# KiCad board DQBSC.kicad_pcb (continued)
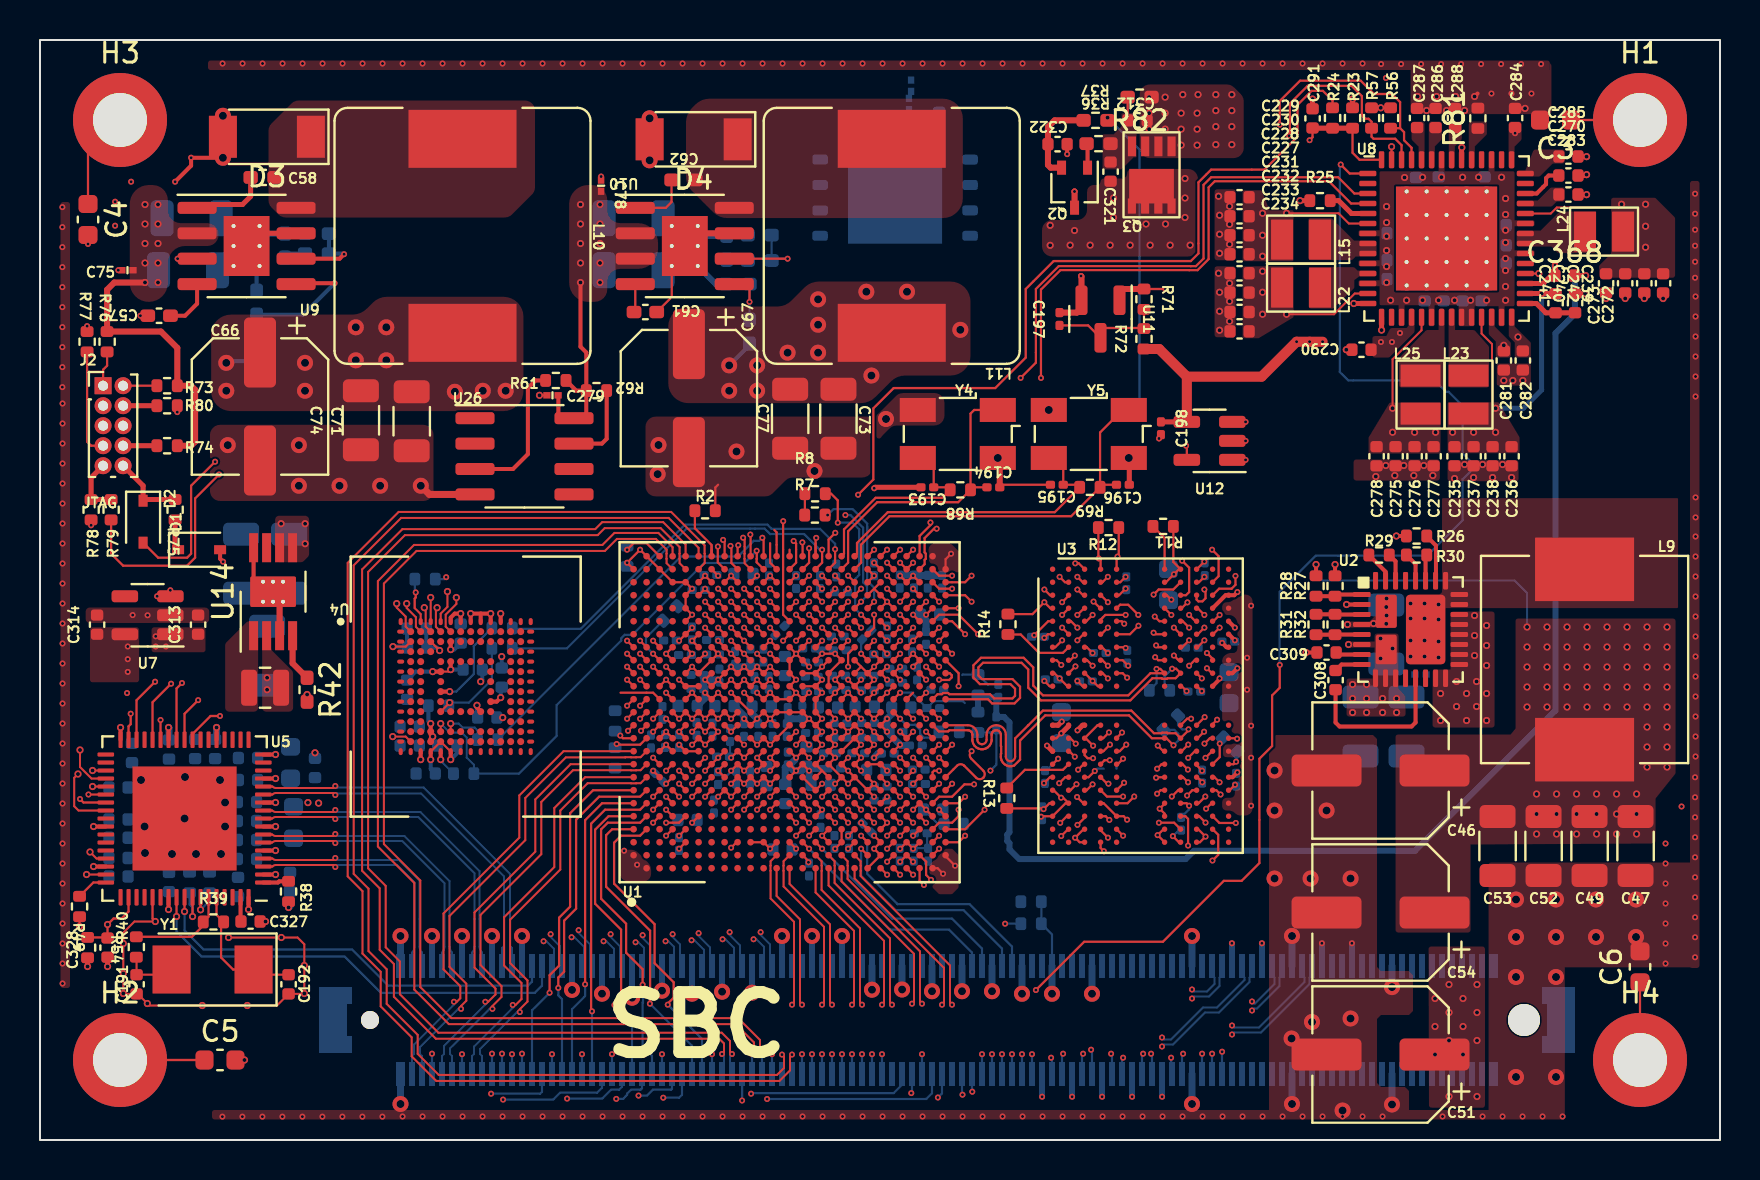
[diagram p0: board, top side]
## Routing (per net, layer and track width the routed paths; a pad name or vN(x,y) marks a point on that pad's centre or on a via; arc(x,y) is an arc through that point) (continued)
  TOP w0.2: U4.A11 v4(23.03,26.32) ; U4.A10 v4(22.53,26.32) 22.03,26.32 ; U4.A9 22.03,26.32 ; 22.03,26.32 v4(21.53,26.32) U4.A8 ; R38.2 v4(12.43,11.62) ; C327.1 v4(11.28,10.92) ; U4.P4 v4(19.53,19.02) ; v3(9.15,49.11) 7.56,49.11 v2(7.55,49.11) 7.55,48.71 v2(6.75,47.91) ; v2(9.13,53.82) 9.15,53.81 ; v2(58.98,23.08) 58.98,23.04 U3.K11 ; U4.A7 v4(21.03,26.32) 20.73,26.32 20.53,26.12 U4.A6 ; U14.8 10.85,27.41 10.68,27.59 U14.8 ; U3.D11 59.28,27.24 U3.C12 59.71,27.24 v2(59.87,27.4) ; U3.J12 59.62,23.34 v2(59.87,23.59) ; v4(74.25,51.58) C284.2 ; v4(71.73,52.17) 71.88,52.32 ; U3.E12 59.43,25.93 v2(59.74,25.62) ; v2(59.11,24.86) 59.32,24.64 U3.G12 ; C309.2 v4(63.3,24.37) ; C322.2 v2(51.36,49.29) ; R27.2 v4(64.75,28.77) ; U4.P6 v4(20.53,19.02)
  TOP w0.25: C273.2 76.76,42.32 v4(77.25,42.32) ; v4(77.33,48.27) 77.29,48.22 C270.1 ; R25.1 v4(63,46.97) 63,46.97 ; U8.48 71.08,49.61 v4(71.09,49.62) ; v2(41.71,32.59) 41.76,32.64 C193.2 ; v2(55.95,35.08) 56.05,35.17 C198.2 ; v2(51.06,20.33) 51.43,20.7 U3.N2 ; U9.7 10.61,45.34 10.33,45.05 U9.9 ; U8.15 v4(67.08,40.49) ; C368.2 v4(77.28,43.22) ; C328.2 v4(3.38,8.67) ; v4(77.33,49.17) 76.91,49.17 C285.1 ; v3(54.44,34.1) 54.46,34.08 C196.2 ; C283.2 76.91,47.27 v4(77.33,47.27) ; U8.14 v4(65.69,41.82) ; C291.2 v4(63.63,52.05)
  TOP w0.3: C197.2 51.85,41.37 52.07,41.6 U11.2 52.07,43.18 v2(52.05,43.2) ; U14.8 11.98,27.09 U14.3 ; U10.7 32.87,45.34 U10.9 ; v3(47.89,34.1) 47.99,34 C194.2 ; v2(51.73,47.43) 51.73,47.42 Q2.3
  TOP w0.35: U26.4 19.47,32.28 v3(19.04,32.71)
  BOT w0.11: v2(22.6,4.31) J1.B10 ; 46.11,23.25 46.14,23.27 R66.1 47.39,22.78 C318.2 ; v2(19.6,4.31) J1.B4 ; C297.1 57.45,16.53 v2(57.45,16.71) ; 53.82,18.56 53.82,18.73 v2(54.15,19.06) ; v2(44.1,4.29) J1.B53 ; v2(41.1,4.29) J1.B47 ; J1.A66 50.6,10.28 R70.2 R4.2 ; v2(25.6,4.29) J1.B16 ; v2(47.1,4.29) J1.B59 ; v2(24.1,4.31) J1.B13 ; v2(38.1,4.29) J1.B41 ; v2(28.6,4.29) J1.B22 ; v2(50.9,19.06) 50.31,18.47 C293.1 ; v2(39.6,4.29) J1.B44 ; v2(48.6,4.29) J1.B62 ; v2(21.1,4.29) J1.B7 ; J1.B35 35.1,3.3 v2(35.1,1.97) ; v2(31.1,4.29) J1.B27 ; v2(36.6,4.29) J1.B38 ; v2(27.1,4.29) J1.B19 ; v2(33.6,4.29) J1.B32
  BOT w0.2: v4(23.13,21.12) C188.2 ; C245.2 22.11,23 v4(22.03,22.92) ; v4(19.98,24.47) 19.83,24.62 C243.2 19.31,24.65 C244.2 ; U9.9 10.83,43.55 R22.2 ; C185.2 20.84,19.33 v4(20.53,19.02) ; C186.2 19.53,18.55 v4(19.53,19.02) ; C187.2 v4(23.08,24.17) ; C182.2 v4(21.03,26.32)
  BOT w0.3: J1.B65 50.1,2.17 v2(50.1,2.16) ; J1.A4 v3(19.6,10.2) ; J1.A42 v3(38.6,10.2) ; C63.2 34.37,45.25 C64.2 32.75,45.21 U10.9 ; v2(65.6,9.84) 65.6,9.83 J1.A96 ; J1.B74 54.6,2.17 v2(54.6,2.16) ; J1.A39 v3(37.1,10.2) ; U9.9 11.36,45.32 C60.2 12.25,45.32 C59.1 ; J1.A27 v3(31.1,7.46) ; J1.A93 64.1,9.83 v2(64.1,9.84) ; R35.2 33.79,42.8 U10.9 ; J1.A84 59.6,9.83 v2(59.6,9.84) ; J1.A13 v3(24.1,10.2) ; J1.B71 53.1,2.17 v2(53.1,2.16) ; J1.A36 v3(35.6,7.36) ; J1.A45 v3(40.1,10.2) ; v2(51.6,2.16) 51.6,2.17 J1.B68 ; J1.B77 56.1,2.17 v2(56.1,2.16) ; v3(29.6,7.11) 29.6,7.12 J1.A24 ; J1.A7 v3(21.1,10.2) ; J1.A30 v3(32.6,7.31) ; J1.A21 v3(28.1,7.31) ; J1.A10 v3(22.6,10.2) ; J1.A33 34.1,7.42 v3(34.1,7.41) ; J1.A18 v3(26.6,7.5) ; v2(61.1,9.84) 61.1,9.83 J1.A87
  BOT w0.35: J1.A54 v3(44.6,7.44) ; J1.A51 43.1,7.53 v3(43.1,7.52) ; J1.B1 v3(18.02,1.8) ; J1.A63 v3(49.1,7.31) ; J1.B100 v3(67.6,1.77) ; J1.A90 v3(62.6,10.2) ; C329.2 12.5,11.7 v4(12.43,11.62) ; J1.A48 41.6,7.52 v3(41.6,7.51) ; J1.A70 v3(52.6,7.31) ; J1.B80 v3(57.6,1.8) ; J1.A100 v3(67.6,7.64) ; J1.A57 v3(46.1,7.44) ; J1.A1 v3(18.02,10.2) ; J1.B90 v3(62.6,1.8) ; J1.A80 v3(57.6,10.2) ; J1.A66 v3(50.6,7.31) ; J1.A60 v3(47.6,7.44)
  vias: v2(1.12,46.64) v2(1.12,45.64) v2(1.12,44.64) v2(1.12,43.64) v2(1.12,42.64) v2(1.12,41.64) v2(1.12,40.64) v2(1.12,39.64) v2(1.12,38.64) v2(1.12,37.64) v2(1.13,36.82) v2(1.13,35.82) v2(1.13,34.82) v2(1.13,33.82) v2(1.13,32.82) v2(1.13,31.82) v2(1.13,30.82) v2(1.13,29.82) v2(1.13,28.82) v2(1.13,27.82) v2(1.13,26.82) v2(1.13,25.82) v2(1.13,24.82) v2(1.13,23.82) v2(1.13,22.82) v2(1.13,21.82) v2(1.13,20.82) v2(1.13,19.82) v2(1.13,18.82) v2(1.13,17.82) v2(1.13,16.82) v2(1.13,15.82) v2(1.13,14.82) v2(1.13,13.82) v2(1.13,12.82) v2(1.13,11.82) v2(1.13,10.82) v2(1.13,9.82) v2(1.13,8.82) v2(1.13,7.82) v2(2.35,40.69) v2(2.4,44.8) v2(2.55,30.73) v2(3.75,46.91) v2(3.75,45.71) v2(3.91,43.49) v2(4.55,47.91) v2(4.63,26.25) v2(5.02,41.21) v2(5.38,26.24) v2(6.86,36.39) v2(9.12,1.17) v2(10.13,53.82) v2(10.12,1.17) v2(11.13,53.82) v2(11.12,1.17) v2(12.13,53.82) v2(12.12,1.17) v2(13.13,53.82) v2(13.12,1.17) v2(14.13,53.82) v2(14.12,1.17) v2(15.13,53.82) v2(15.12,1.17) v2(16.13,53.82) v2(16.12,1.17) v2(17.13,53.82) v2(17.12,1.17) v2(18.13,53.82) v2(18.13,1.17) v2(19.13,53.82) v2(19.13,1.17) v2(20.13,53.82) v2(20.13,1.17) v2(21.13,53.82) v2(21.13,1.17) v2(22.13,53.82) v2(22.13,1.17) v2(23.13,53.82) v2(23.13,1.17) v2(24.13,53.82) v2(24.13,1.17) v2(25.13,53.82) v2(25.13,1.17) v2(26.13,53.82) v2(26.13,1.17) v2(27.13,53.82) v2(27.13,1.17) v2(28.05,48.17) v2(28.13,53.82) v2(28.13,1.17) v2(29.13,53.82) v2(29.13,1.17) v2(29.2,14.46) v2(29.85,13.76) v2(30.13,53.82) v2(30.13,1.17) v2(31.13,53.82) v2(31.13,1.17) v2(32.13,53.82) v2(32.13,1.17) v2(33.13,53.82) v2(33.13,1.17) v2(34.13,53.82) v2(34.13,1.17) v2(35.13,53.82) v2(35.13,1.17) v2(36.13,53.82) v2(36.13,1.17) v2(37.13,53.82) v2(37.13,1.17) v2(38.13,53.82) v2(38.13,1.17) v2(39.13,53.82) v2(39.13,1.17) v2(40.13,53.82) v2(40.13,1.17) v2(41.13,53.82) v2(41.13,1.17) v2(42.13,53.82) v2(42.13,1.17) v2(43.13,53.82) v2(43.13,1.17) v2(44.13,53.82) v2(44.13,1.17) v2(45.13,53.82) v2(45.13,1.17) v2(46.13,53.82) v2(46.13,1.17) v2(47.13,53.82) v2(47.13,1.17) v2(48.13,53.82) v2(48.13,1.17) v2(49.13,53.82) v2(49.13,1.17) v2(50.13,53.82) v2(50.13,1.17) v2(51.13,53.82) v2(51.13,1.17) v2(52.13,53.82) v2(52.13,1.17) v2(53.13,53.82) v2(53.13,1.17) v2(54.13,53.82) v2(54.13,1.17) v2(55.13,53.82) v2(55.13,1.17) v2(56.13,53.82) v2(56.13,1.17) v2(57.13,53.82) v2(57.13,1.17) v2(58.13,53.82) v2(58.13,1.17) v2(59.13,53.82) v2(59.13,1.17) v2(60.13,53.82) v2(60.13,1.17) v2(60.28,35.91) v2(60.28,34.96) v2(60.28,34.01) v2(61.13,53.82) v2(61.13,1.17) v2(62.13,53.82) v2(62.13,1.17) v2(63.13,53.82) v2(63.13,1.17) v2(64.13,53.82) v2(64.13,1.17) v2(65.13,53.82) v2(65.13,1.17) v2(66.13,53.82) v2(66.13,1.17) v2(67.06,53.8) v2(67.13,1.17) v2(67.3,53.1) v2(68.06,53.8) v2(69.06,53.8) v2(70.06,53.8) v2(70.13,1.17) v2(71.06,53.8) v2(72.06,53.8) v2(72.13,1.17) v2(72.57,52.32) v2(73.06,53.8) v2(73.13,1.17) v2(73.57,52.32) v2(74.06,53.8) v2(74.13,1.17) v2(74.57,52.32) v2(75.06,53.8) v2(75.13,1.17) v2(76.13,1.17) v2(81.28,14.82) v2(81.28,13.82) v2(81.28,12.82) v2(81.28,11.82) v2(81.28,10.82) v2(81.28,9.82) v2(81.28,8.82) v2(82.08,16.67) v2(82.75,47.31) v2(82.75,46.31) v2(82.75,45.51) v2(82.75,44.71) v2(82.75,43.91) v2(82.75,43.11) v2(82.78,42.17) v2(82.78,41.17) v2(82.78,40.17) v2(82.78,39.17) v2(82.78,38.17) v2(82.78,37.17) v2(82.78,32.13) v2(82.78,31.13) v2(82.78,30.17) v2(82.78,29.17) v2(82.78,28.17) v2(82.78,27.17) v2(82.78,26.17) v2(82.78,25.17) v2(82.78,24.17) v2(82.78,23.17) v2(82.78,22.17) v2(82.78,21.17) v2(82.78,20.17) v2(82.78,19.17) v2(82.75,18.14) v2(82.75,17.14) v2(82.75,16.14) v2(82.75,15.14) v2(82.75,14.14) v2(82.75,13.14) v2(82.75,12.14) v2(82.75,11.14) v2(82.75,10.14) v2(82.75,9.14) v3(5.05,18) v3(5.23,15.67) v3(5.25,14.35) v3(6.6,14.3) v3(7.25,18.15) v3(7.23,16.07) v3(7.8,14.3) v3(9,18) v3(9.05,14.3) v3(9.15,51.21) v3(9.25,16.87) v3(9.25,15.67) v3(9.39,34.74) v3(12.94,34.74) v3(12.94,32.71) v3(14.98,32.71) v3(17.01,32.71) v3(30.48,51.08) v3(30.48,48.98) v3(30.88,33.29) v3(30.93,34.75) v3(34.82,34.43) v3(38.73,33.45) v3(42.3,36.05) v3(50.44,36.5) v3(61.73,18.47) v3(61.73,16.47) v3(61.73,13.07) v3(62.58,5.07) v3(63.53,13.07) v3(63.6,5.9) v3(64.33,16.47) v3(65.13,1.47) v3(65.53,13.07) v3(65.53,6.07) v3(73.8,12.02) v3(73.8,10.15) v3(73.8,8.15) v3(73.8,3.15) v3(75.8,12.02) v3(75.8,10.15) v3(75.8,8.15) v3(75.8,3.15) v3(77.8,12.02) v3(77.8,10.15) v3(79.8,12.02) v3(79.8,10.15) v4(10.23,4) v4(13.35,22.27) v4(13.75,19.36) v4(58.93,47.19) v4(58.98,46.24) v4(58.98,45.29) v4(58.98,44.34) v4(58.93,43.34) v4(58.98,42.39) v4(58.98,41.44) v4(58.98,40.49) v4(59.48,46.69) v4(59.48,45.79) v4(59.48,44.79) v4(59.48,42.84) v4(59.48,41.94) v4(59.48,40.94) v4(65.31,39.51) v4(65.38,25.77) v4(66.68,25.82) v4(66.79,33.17) v4(67.29,33.72) v4(67.33,27.07) v4(67.31,26.65) v4(67.33,26.22) v4(67.31,25.81) v4(67.74,33.22) v4(68.19,33.72) v4(68.69,33.22) v4(68.88,52.17) v4(69.19,33.72) v4(69.33,51.47) v4(69.64,33.22) v4(69.83,52.17) v4(70.03,22.32) v4(70.03,20.97) v4(70.33,51.47) v4(70.78,52.17) v4(70.73,33.07) v4(70.83,22.92) v4(70.83,21.67) v4(71.23,51.47) v4(71.23,33.77) v4(71.33,22.32) v4(71.33,20.97) v4(71.68,33.12) v4(71.73,26.22) v4(71.73,25.22) v4(71.73,24.22) v4(71.83,22.92) v4(71.83,21.67) v4(72.13,33.77) v4(72.33,25.72) v4(72.33,24.72) v4(72.33,23.72) v4(72.33,22.32) v4(72.33,20.97) v4(72.63,33.12) v4(73.13,33.77) v4(73.19,37.97) v4(73.58,33.12) v4(73.64,37.97) v4(74.14,37.97) v4(78.3,42.07) v4(79.26,42.07) v4(80.21,42.07) v4(81.15,42.07)
VDD_1V: length 1.2
  TOP w0.2: U5.17 v4(11.78,19.27) ; U5.34 v4(4.03,20.62)
  vias: v2(4.35,22.35) v2(4.39,24.68) v2(4.39,24.04) v2(4.39,23.41)
VDD_1V8: length 30.1
  TOP w0.1: U8.19 69.08,40.49 67.63,39.04 v4(67.63,36.59)
  TOP w0.11: v2(57.4,18.52) 57.13,18.79 U3.T9 ; v2(50.22,25.11) 50.4,25.29 U3.F1 ; U3.U1 50.5,18.14 v2(50.2,17.84) ; U3.G9 57.11,24.64 v2(57.46,24.98) ; U3.T4 53.23,18.99 v2(53.49,18.99) ; v2(53.39,24.35) 53.1,24.64 U3.G4
  TOP w0.2: v2(59.74,24.98) 59.44,25.29 U3.F12 ; v4(19.53,20.82) U4.M4 19.53,20.27 v4(19.63,20.17) 19.53,20.07 U4.N4 ; v2(59.87,18.38) 59.63,18.14 U3.U12 ; v4(20.53,24.52) U4.C6 ; U4.P5 v4(20.03,19.02) ; U4.P3 v4(19.03,19.02) ; v4(53.38,51.12) 53.38,51.11 53.38,50.82
  BOT w0.1: R18.2 20.03,18.96 v4(20.03,19.02)
  BOT w0.11: v2(20.31,28.14) 20.21,28.04 R15.2 ; 55.13,36.58 54.98,36.73 54.98,49.52 v4(53.38,51.12)
  BOT w0.2: v4(20.53,24.52) 20.71,24.52 C182.1 ; R83.2 19.42,20.94 v4(19.53,20.82)
  vias: v4(67.63,35.39) v4(68.73,35.39) v4(69.78,35.39)
VDD_ARM_0V9: length 16.1
  TOP w0.11: U1.H14 v2(33.9,22.36) U1.G14 v2(33.25,22.36) ; v2(33.9,23.01) U1.G15 v2(33.25,23.01) U1.G16 ; v2(33.9,23.01) U1.H15 v2(34.55,23.01) 34.88,22.69 v2(35.2,23.01) U1.K15 v2(35.85,23.01) U1.L15 v2(36.5,23.01) U1.M15 ; v2(33.9,23.01) U1.H16 v2(34.55,23.66) 34.88,23.34 v2(35.2,23.66) U1.K16 v2(35.85,23.66) U1.L16 v2(36.5,23.66) U1.M16
  BOT w0.2: v3(9.31,38.86) 9.4,38.94 R21.1
  BOT w0.35: v2(34.55,23.66) v2(35.2,23.66) v2(35.85,23.66) ; C90.1 33.19,23.25 C89.1 ; v2(33.25,22.36) 33.25,22.1 C83.1 ; v2(33.9,23.01) v2(33.25,23.01)
  vias: v3(9.31,37.46) v3(13.25,38.86) v3(13.25,37.46) v3(15.79,40.64) v3(15.79,38.99) v3(17.31,40.64) v3(17.31,38.99) v3(20.74,37.41) v3(22.14,37.46) v3(23.28,37.46)
VDD_DRAM_0V9: length 17.9
  TOP w0.1: U8.38 75.54,46.32 75.84,46.62 78.92,46.62 v4(79.08,46.79)
  TOP w0.11: v2(40.4,20.41) U1.U12 ; v2(40.4,20.41) U1.V12 v2(41.05,20.41) U1.V11 ; v2(40.4,20.41) U1.U11 ; U1.Y18 v2(42.35,24.31) ; U1.V11 v2(41.05,19.76) U1.V10 v2(41.05,19.11) U1.V9 v2(41.05,18.46) ; U1.V11 U1.U10 ; U1.Y20 v2(42.35,25.61) ; U1.V14 v2(40.4,22.36) U1.U14 ; U1.Y10 v2(41.7,19.11) ; U1.Y8 v2(42.35,17.81) ; v2(42.35,23.66) U1.Y16 v2(42.35,23.01) ; U1.V15 v2(41.05,23.01) ; U1.V15 v2(40.4,23.01) ; U1.V15 v2(41.05,22.36) ; U1.Y6 v2(42.35,17.16) ; U1.U13 v2(40.4,21.06) U1.V13 v2(41.05,21.06)
  BOT w0.35: C345.2 41.91,19.32 v2(41.7,19.11)
  vias: v4(80.28,46.79) v4(80.28,45.69) v4(80.28,44.64)
VDD_GPU_0V9: length 11.5
  TOP w0.1: U8.6 65.44,45.82 64.93,46.34 v4(62.33,46.34)
  TOP w0.11: v2(34.55,19.11) 34.88,19.44 v2(35.2,19.11) U1.K10 ; U1.M10 v2(36.5,19.11) U1.M9 v2(36.5,18.46) ; U1.K9 v2(35.2,18.46) 34.88,18.79 v2(34.55,18.46) ; U1.L10 v2(35.85,19.11) U1.L9 v2(35.85,18.46)
  BOT w0.11: v2(34.55,18.46) 34.55,18.43 C130.1 ; C131.1 34.5,19.2 C132.1
  vias: v4(61.13,46.34) v4(61.13,45.24) v4(61.13,44.19)
VDD_PHY_0V9: length 8.5
  TOP w0.11: U1.G22 v2(33.25,27.56) U1.F22 ; U1.C12 v2(30.65,20.41) ; U1.F18 v2(32.6,24.96) U1.F19 ; U1.V3 v2(40.4,14.56) ; U1.E11 v2(31.95,20.41) U1.E12 ; U1.D11 v2(31.3,20.41) U1.C11 ; U1.F17 v2(33.25,24.31) ; U1.E18 v2(32.6,24.31) U1.E17 ; U1.D12 v2(31.3,21.06) ; U1.F23 v2(33.25,28.21) U1.G23 ; U1.U4 U1.U3 v2(39.75,14.56)
  vias: v2(67.05,39.9) v2(67.6,39.9) v2(68,40.35)
VDD_PHY_1V8: length 67.4
  TOP w0.11: U1.C18 v2(30.65,24.96) ; v2(38.42,13.88) 38.42,13.95 U1.P2 ; U1.D17 v2(31.3,24.31) U1.D18
  PW1 w0.5: v4(73.19,39.73) 74.66,38.26 74.66,31.22 73.12,29.68 69.78,29.68 68.74,30.72 64.76,30.72 62.75,28.71 62.75,11.94 61.99,11.18 48.78,11.18 48.66,11.3 48.05,11.3 47.93,11.18 41.13,11.18 v2(38.42,13.88)
VDD_PHY_3V3: length 4.6
  TOP w0.11: U1.H23 v2(34.55,28.21) 34.88,27.89 ; v2(32.6,19.76) U1.F11 v2(33.25,19.76) U1.G11 v2(33.9,20.41) U1.G12 v2(33.25,20.41) U1.F12 v2(32.6,20.41)
VDD_SNVS_0V9: length 48.2
  TOP w0.11: U1.R18 v2(39.1,24.96)
  PW2 w0.2: 39.51,29.85 39.63,29.98 39.86,29.98 43.06,33.18 43.06,33.28 47.25,37.47 69.35,37.47 73.75,41.87 v2(73.75,50.34)
VDD_SOC_0V9: length 20
  TOP w0.11: v2(36.5,21.06) U1.L13 v2(35.85,21.06) U1.K12 v2(35.2,21.06) ; v2(36.5,21.06) U1.M12 ; v2(36.5,21.06) U1.L12 ; v2(36.5,21.06) U1.M13 U1.N13 U1.P13 v2(38.45,21.06) ; U1.R12 v2(38.45,21.06) ; U1.R12 v2(39.1,21.06) U1.R13 U1.R14 v2(39.1,22.36) U1.R15 ; U1.R12 v2(39.1,20.41) U1.R11 v2(39.1,19.76) U1.R10 ; v2(38.45,21.06) U1.P12 ; U1.R16 v2(39.1,23.01) U1.R15 ; U1.R16 v2(39.1,23.66) U1.T17 ; U1.R16 U1.P16 ; 39.1,18.46 U1.T8 ; 39.1,18.46 U1.R8 ; 39.1,18.46 U1.R9 v2(39.1,19.11) ; U1.P15 U1.R15
  BOT w0.2: R34.1 35.48,39.75 v3(34.46,38.73)
  BOT w0.35: C254.1 37.39,20.87 C249.2 37.58,21.06 C257.2 ; C85.1 35.6,21.32 v2(35.85,21.06) ; v2(35.2,21.06) 35.2,21.2 C86.1
  vias: v3(34.46,37.46) v3(35.86,38.73) v3(35.86,37.46) v3(37.38,39.37) v3(38.9,42.03) v3(38.9,40.76) v3(38.9,39.37) v3(41.32,42.41) v3(41.57,38.22) v3(43.35,42.41) v3(46.02,40.51)
VDD_VPU_0V9: length 12.2
  TOP w0.1: U8.13 65.74,42.32 65.37,41.96 65.37,41.95 64.7,41.29 v4(62.33,41.29)
  TOP w0.11: v2(37.8,18.46) U1.P9 v2(38.45,18.46) ; v2(37.8,18.46) U1.N9 ; v2(37.8,18.46) U1.N8 ; U1.N10 v2(37.8,19.11) U1.P10 v2(38.45,19.11)
  BOT w0.35: C7.1 37.26,18.63 C100.1 ; C101.1 38.45,18.58 C97.1 38.1,18.46 v2(37.8,18.46) 37.68,18.46 C100.1 ; C100.1 37.49,18.76 37.74,19 ; v2(38.45,18.46) 38.45,17.86 C102.1
  vias: v4(61.13,43.44) v4(61.13,42.39) v4(61.13,41.29)
VDDA_1V8: length 49.7
  TOP w0.11: U1.U23 v2(39.75,28.21) ; U1.K14 v2(35.2,22.36) ; 41.38,23.99 v2(41.05,24.31) ; U1.N11 v2(37.8,20.41) ; 41.38,27.89 v2(41.7,28.21) 41.38,28.54 ; U1.T15 U1.T16 U1.U17 v2(39.75,24.31) v2(39.1,24.31) U1.R17 ; U1.AA11 v2(42.35,19.76)
  PW1 w0.5: v2(41.7,28.21) 41.66,28.21 41,28.88 41,29.5 ; 41,29.5 41,29.75 48.87,37.61 67.41,37.61 70.12,40.32 73.73,40.32 v4(73.9,40.15) ; 41,29.5 39.75,28.26 v2(39.75,28.21)
  BOT w0.11: v2(41.05,24.31) 41.05,24.97 C117.1
  BOT w0.2: C118.1 39.59,24.58 39.1,24.58 ; 39.1,24.58 v2(39.1,24.31) 39.04,24.31 C114.2 39.1,24.58
VIN:
  vias: v4(65.43,24.77) v4(65.63,22.77) v4(65.63,22.07) v4(65.63,21.37) v4(66.33,22.77) v4(66.33,22.07) v4(66.33,21.37) v4(67.03,25.07) v4(67.03,24.07) v4(67.13,22.07) v4(67.13,21.37) v4(67.63,24.57) v4(67.83,22.07) v4(67.83,21.37) v4(69.75,7.07) v4(69.75,5.67) v4(69.75,4.27) v4(70.45,7.77) v4(70.45,6.37) v4(70.45,4.97) v4(70.45,2.17) v4(71.15,7.07) v4(71.15,5.67) v4(71.15,4.27) v4(71.85,7.77) v4(71.85,6.37) v4(71.85,4.97) v4(71.85,2.17)
(no net): length 0.5
  TOP w0.11: U1.AD18 v1(44.95,24.31)
/IO/ENET_2.5V_A: length 1.8
  TOP w0.2: U5.8 v4(11.78,15.67) ; v4(11.78,16.87) U5.11 ; U5.2 v4(11.78,13.27)
/IO/LED0: length 21
  TOP w0.11: U5.60 v4(7.23,11.42)
  BOT w0.11: J1.A14 24.6,7.92 24.4,7.71 17.41,7.71 15.6,9.52 8.18,9.52 7.23,10.47 v4(7.23,11.42)
/IO/LED1: length 22.4
  TOP w0.11: U5.59 v4(6.83,11.17)
  BOT w0.11: v4(6.83,11.17) 6.83,10.42 8.08,9.17 15.23,9.17 17.05,7.35 24.74,7.35 25.1,7.72 J1.A15
/IO/XTAL1: length 5.1
  TOP w0.11: U5.63 8.43,11.17 R39.1 8.16,10.72 7.6,10.16 R40.1
/IO/XTAL2: length 6.9
  TOP w0.1: Y1.1 10.94,8.26 C192.1
  TOP w0.11: U5.64 8.83,11.26 R39.2 9.05,10.77 9.05,9.12 9.65,8.52 Y1.1
/MPU/25MHZ_I: length 10.7
  TOP w0.11: Y4.3 44.69,34.1 44.69,32.64 45.38,32.64 R68.2 45.51,32.5 45.12,32.11 41.78,32.11 40.2,30.53 40.2,29.31 U1.U25
/MPU/25MHZ_O: length 15.1
  TOP w0.11: R68.1 45.91,31.89 41.86,31.89 40.4,30.43 40.4,28.86 U1.U24 ; R68.1 46.65,32.64 47.35,32.64 ; R68.1 46.53,36.32 46.71,36.5 47.89,36.5
/MPU/27MHZ_I: length 15.9
  TOP w0.11: U1.V25 40.85,29.31 40.85,29.85 42.39,31.39 50.74,31.39 R69.2 51.86,32.76 C195.1 51.16,34.1 Y5.3
/MPU/27MHZ_O: length 20
  TOP w0.11: U1.V24 41.05,28.86 41.05,29.77 42.47,31.19 51.56,31.19 R69.1 ; R69.1 53.13,32.76 C196.1 ; R69.1 53,35.38 54.13,36.5 54.44,36.5
/MPU/RTC_CLK: length 24.5
  TOP w0.11: v2(57.3,34.71) 57.34,34.68 U12.5 ; U1.V22 v2(41.05,27.56)
  S2 w0.11: v2(57.3,34.71) 55.85,34.71 55.2,35.36 43.37,35.36 40.61,32.6 40.61,28.69 40.95,28.34 40.95,27.66 v2(41.05,27.56)
/MPU/RTC_nRST: length 37.7
  TOP w0.11: v2(41.7,26.26) 41.7,25.61 41.38,25.29 ; v2(56.27,42.55) R71.1
  TOP w0.3: U11.1 53.98,42.53 54,42.55 R71.1
  S2 w0.11: v2(56.27,42.55) 57.95,40.87 57.95,34.71 57.66,34.42 55.8,34.42 55.05,35.16 43.45,35.16 41.2,32.91 41.2,28.69 41.23,28.66 41.23,28.63 41.36,28.51 41.36,28.14 41.61,27.89 41.61,27.61 42,27.22 42,26.56 v2(41.7,26.26)
/POWER/PMIC_ON: length 65.3
  TOP w0.11: C291.1 63.63,50.14 v2(63.48,49.99) ; U8.56 65.98,49.01 65.63,49.36 R23.1
  TOP w0.25: R23.1 R24.2 63.64,50.59 C291.1
  S1 w0.11: v2(63.48,49.99) 62.18,48.69 52.08,48.69 50.78,47.39 8.88,47.39 7.9,46.41 7.9,45.09 v2(6.88,44.07)
BOOT_MODE0: length 0.5
  TOP w0.11: 41.38,16.84 v2(41.7,16.51)
BOOT_MODE1: length 0.5
  TOP w0.11: U1.V6 v2(41.05,16.51)
BT_DEV_WAKE: length 0.5
  TOP w0.11: U1.G21 v2(33.25,26.91)
BT_HOST_WAKE: length 0.5
  TOP w0.11: U1.M20 v2(36.5,26.26)
CLK1_N: length 0.5
  TOP w0.11: U1.T23 v2(39.1,28.21)
CLK1_P: length 0.5
  TOP w0.11: U1.R23 v2(39.1,27.56)
CLK2_N: length 0.5
  TOP w0.11: U1.U22 v2(40.4,27.56)
CLK2_P: length 0.5
  TOP w0.11: U1.T22 v2(39.75,27.56)
DRAM_CA0_A: length 16.6
  TOP w0.11: v2(51.74,24.22) 51.51,23.99 U3.H2 ; U1.AD17 v2(44.95,23.66)
  PW2 w0.11: v2(51.74,24.22) 51.44,23.92 51.32,23.92 51.19,24.05 50.94,24.05 50.81,23.92 50.79,23.93 50.77,23.96 50.77,23.99 50.76,24.01 50.73,24.03 50.61,24.03 50.59,24.01 50.57,23.99 50.57,23.96 50.56,23.93 50.53,23.92 50.11,23.92 49.79,24.24 49.45,24.24 49.42,24.24 49.37,24.27 49.35,24.31 49.35,24.34 49.35,24.49 49.35,24.52 49.32,24.56 49.27,24.59 49.25,24.59 49.22,24.59 49.17,24.56 49.15,24.52 49.15,24.49 49.15,24.34 49.15,24.31 49.12,24.27 49.07,24.24 49.05,24.24 49.02,24.24 48.97,24.27 48.95,24.31 48.95,24.34 48.95,24.54 48.95,24.57 48.92,24.61 48.87,24.64 48.85,24.64 48.82,24.64 48.77,24.61 48.75,24.57 48.75,24.54 48.75,24.34 48.75,24.31 48.72,24.27 48.67,24.24 48.65,24.24 48.62,24.24 48.57,24.27 48.55,24.31 48.55,24.34 48.55,24.54 48.55,24.57 48.52,24.61 48.47,24.64 48.45,24.64 48.42,24.64 48.37,24.61 48.35,24.57 48.35,24.54 48.35,24.34 48.35,24.31 48.32,24.27 48.27,24.24 48.25,24.24 47.89,24.24 47.59,23.94 47.36,23.94 47.33,23.94 47.28,23.97 47.26,24.01 47.26,24.04 47.26,24.27 47.26,24.29 47.23,24.34 47.18,24.37 47.16,24.37 47.13,24.37 47.08,24.34 47.06,24.29 47.06,24.27 47.06,24.04 47.06,24.01 47.03,23.97 46.98,23.94 46.96,23.94 46.93,23.94 46.88,23.97 46.86,24.01 46.86,24.04 46.86,24.27 46.86,24.29 46.83,24.34 46.78,24.37 46.76,24.37 46.73,24.37 46.68,24.34 46.66,24.29 46.66,24.27 46.66,24.04 46.66,24.01 46.63,23.97 46.58,23.94 46.56,23.94 46.53,23.94 46.48,23.97 46.46,24.01 46.46,24.04 46.46,24.27 46.46,24.29 46.43,24.34 46.38,24.37 46.36,24.37 46.33,24.37 46.28,24.34 46.26,24.29 46.26,24.27 46.26,24.04 46.26,24.01 46.23,23.97 46.18,23.94 46.16,23.94 45.56,23.94 45.31,24.19 45.31,24.38 45.29,24.4 45.28,24.45 45.29,24.5 45.33,24.54 45.34,24.59 45.33,24.64 45.31,24.66 45.29,24.68 45.24,24.69 45.19,24.68 45.17,24.66 45.15,24.64 45.1,24.63 45.05,24.64 45.03,24.66 44.83,24.66 44.65,24.84 44.65,25.44 44.56,25.53 44.25,25.53 43.99,25.27 43.99,25.1 44.66,24.43 44.66,24.19 44.95,23.9 v2(44.95,23.66)
DRAM_CA0_B: length 16.6
  TOP w0.11: v2(46.58,19.44) 46.56,19.42 arc(46.49,19.24) 46.56,19.07 47.16,18.47 arc(47.24,18.29) 47.16,18.11 arc(46.99,18.04) 46.81,18.11 46.21,18.71 arc(46.03,18.79) 45.85,18.71 U1.AE8 ; v2(51.74,19.16) 51.46,19.44 U3.R2
  PW2 w0.11: v2(51.74,19.16) 52.15,19.58 52.15,20.21 52.35,20.41 52.85,20.41 53.05,20.21 53.05,19.51 52.92,19.38 52.52,19.38 52.05,18.91 51.89,18.91 51.59,18.61 50.55,18.61 arc(50.43,18.67) 50.38,18.79 50.38,19.19 arc(50.33,19.31) 50.2,19.36 arc(50.08,19.31) 50.03,19.19 50.03,18.79 arc(49.98,18.67) 49.85,18.61 49.65,18.61 49.05,19.21 46.85,19.21 46.65,19.01 46.55,19.01 46.35,19.21 46.35,19.31 46.48,19.44 v2(46.58,19.44)
DRAM_CA1_A: length 16.3
  TOP w0.11: v2(51.77,23.68) U3.J2 ; v2(44.95,23.01) 44.97,23 45.46,23 45.59,23.13 45.59,23.24 45.49,23.34 U1.AE16
  PW2 w0.11: v2(51.77,23.68) 51.77,23.79 52.01,24.02 52.16,24.02 52.24,23.94 52.24,23.67 52.43,23.48 52.43,23.25 52.38,23.2 52.04,23.2 51.71,23.53 51.25,23.53 51.19,23.46 50.94,23.46 50.89,23.51 50.83,23.51 50.77,23.45 50.75,23.45 50.67,23.53 50.67,23.59 50.63,23.61 50.54,23.61 50.44,23.51 50.44,23.36 50.39,23.34 50.37,23.34 50.27,23.44 50.27,23.51 50.17,23.61 49.83,23.61 49.75,23.69 49.75,23.83 49.65,23.93 49.62,23.93 49.55,23.86 49.55,23.55 49.5,23.51 49.37,23.51 49.32,23.56 49.32,23.95 49.27,23.98 49.25,23.98 49.15,23.88 49.15,23.58 49.05,23.48 49.02,23.48 48.95,23.56 48.95,23.91 48.9,23.95 48.77,23.95 48.72,23.9 48.72,23.51 48.67,23.48 48.65,23.48 48.55,23.58 48.55,23.88 48.45,23.98 48.42,23.98 48.35,23.91 48.35,23.55 48.3,23.51 48.17,23.51 48.12,23.56 48.12,23.95 48.07,23.98 48.05,23.98 47.95,23.88 47.95,23.58 47.85,23.48 47.62,23.48 47.49,23.61 47.49,23.65 47.44,23.68 47.42,23.68 47.29,23.55 47.29,23.51 47.24,23.48 47.22,23.48 47.09,23.61 47.09,23.65 47.04,23.68 47.02,23.68 46.89,23.55 46.89,23.51 46.84,23.48 46.82,23.48 46.69,23.61 46.69,23.65 46.64,23.68 46.62,23.68 46.49,23.55 46.49,23.51 46.44,23.48 46.42,23.48 46.29,23.61 46.29,23.65 46.24,23.68 46.22,23.68 46.09,23.55 46.09,23.51 46.04,23.48 46.02,23.48 45.99,23.48 45.94,23.51 45.92,23.55 45.92,23.61 45.89,23.65 45.84,23.68 45.82,23.68 45.79,23.68 45.74,23.65 45.72,23.61 45.72,23.55 45.69,23.51 45.64,23.48 45.62,23.48 45.42,23.48 v2(44.95,23.01)
DRAM_CA1_B: length 18.6
  TOP w0.11: U1.AE9 v2(44.95,19.11) ; v2(51.79,19.82) 51.51,20.09 U3.P2
  PW2 w0.11: v2(44.95,19.11) 44.65,19.41 44.65,19.71 44.45,19.91 44.15,19.91 44.01,19.77 44.01,18.96 44.15,18.81 45.05,18.81 45.35,19.11 45.65,19.11 46.57,20.03 46.75,20.03 arc(46.88,19.98) 46.93,19.86 46.93,19.76 arc(46.98,19.63) 47.1,19.58 arc(47.23,19.63) 47.28,19.76 47.28,20.31 arc(47.33,20.43) 47.45,20.48 arc(47.58,20.43) 47.63,20.31 47.63,19.76 arc(47.68,19.63) 47.8,19.58 arc(47.93,19.63) 47.98,19.76 47.98,20.31 arc(48.03,20.43) 48.15,20.48 arc(48.28,20.43) 48.33,20.31 48.33,19.76 arc(48.38,19.63) 48.5,19.58 arc(48.63,19.63) 48.68,19.76 48.68,20.31 arc(48.73,20.43) 48.85,20.48 arc(48.98,20.43) 49.03,20.31 49.03,19.76 arc(49.08,19.63) 49.2,19.58 arc(49.33,19.63) 49.38,19.76 49.38,20.31 arc(49.43,20.43) 49.55,20.48 arc(49.68,20.43) 49.73,20.31 49.73,19.88 arc(49.77,19.78) 49.88,19.73 49.93,19.73 arc(50.04,19.78) 50.08,19.88 50.08,20.24 50.15,20.31 50.45,20.31 50.65,20.11 50.65,19.91 50.75,19.81 51.78,19.81 v2(51.79,19.82)
